# KiCad board SONATA-ONE.kicad_pcb (continued)
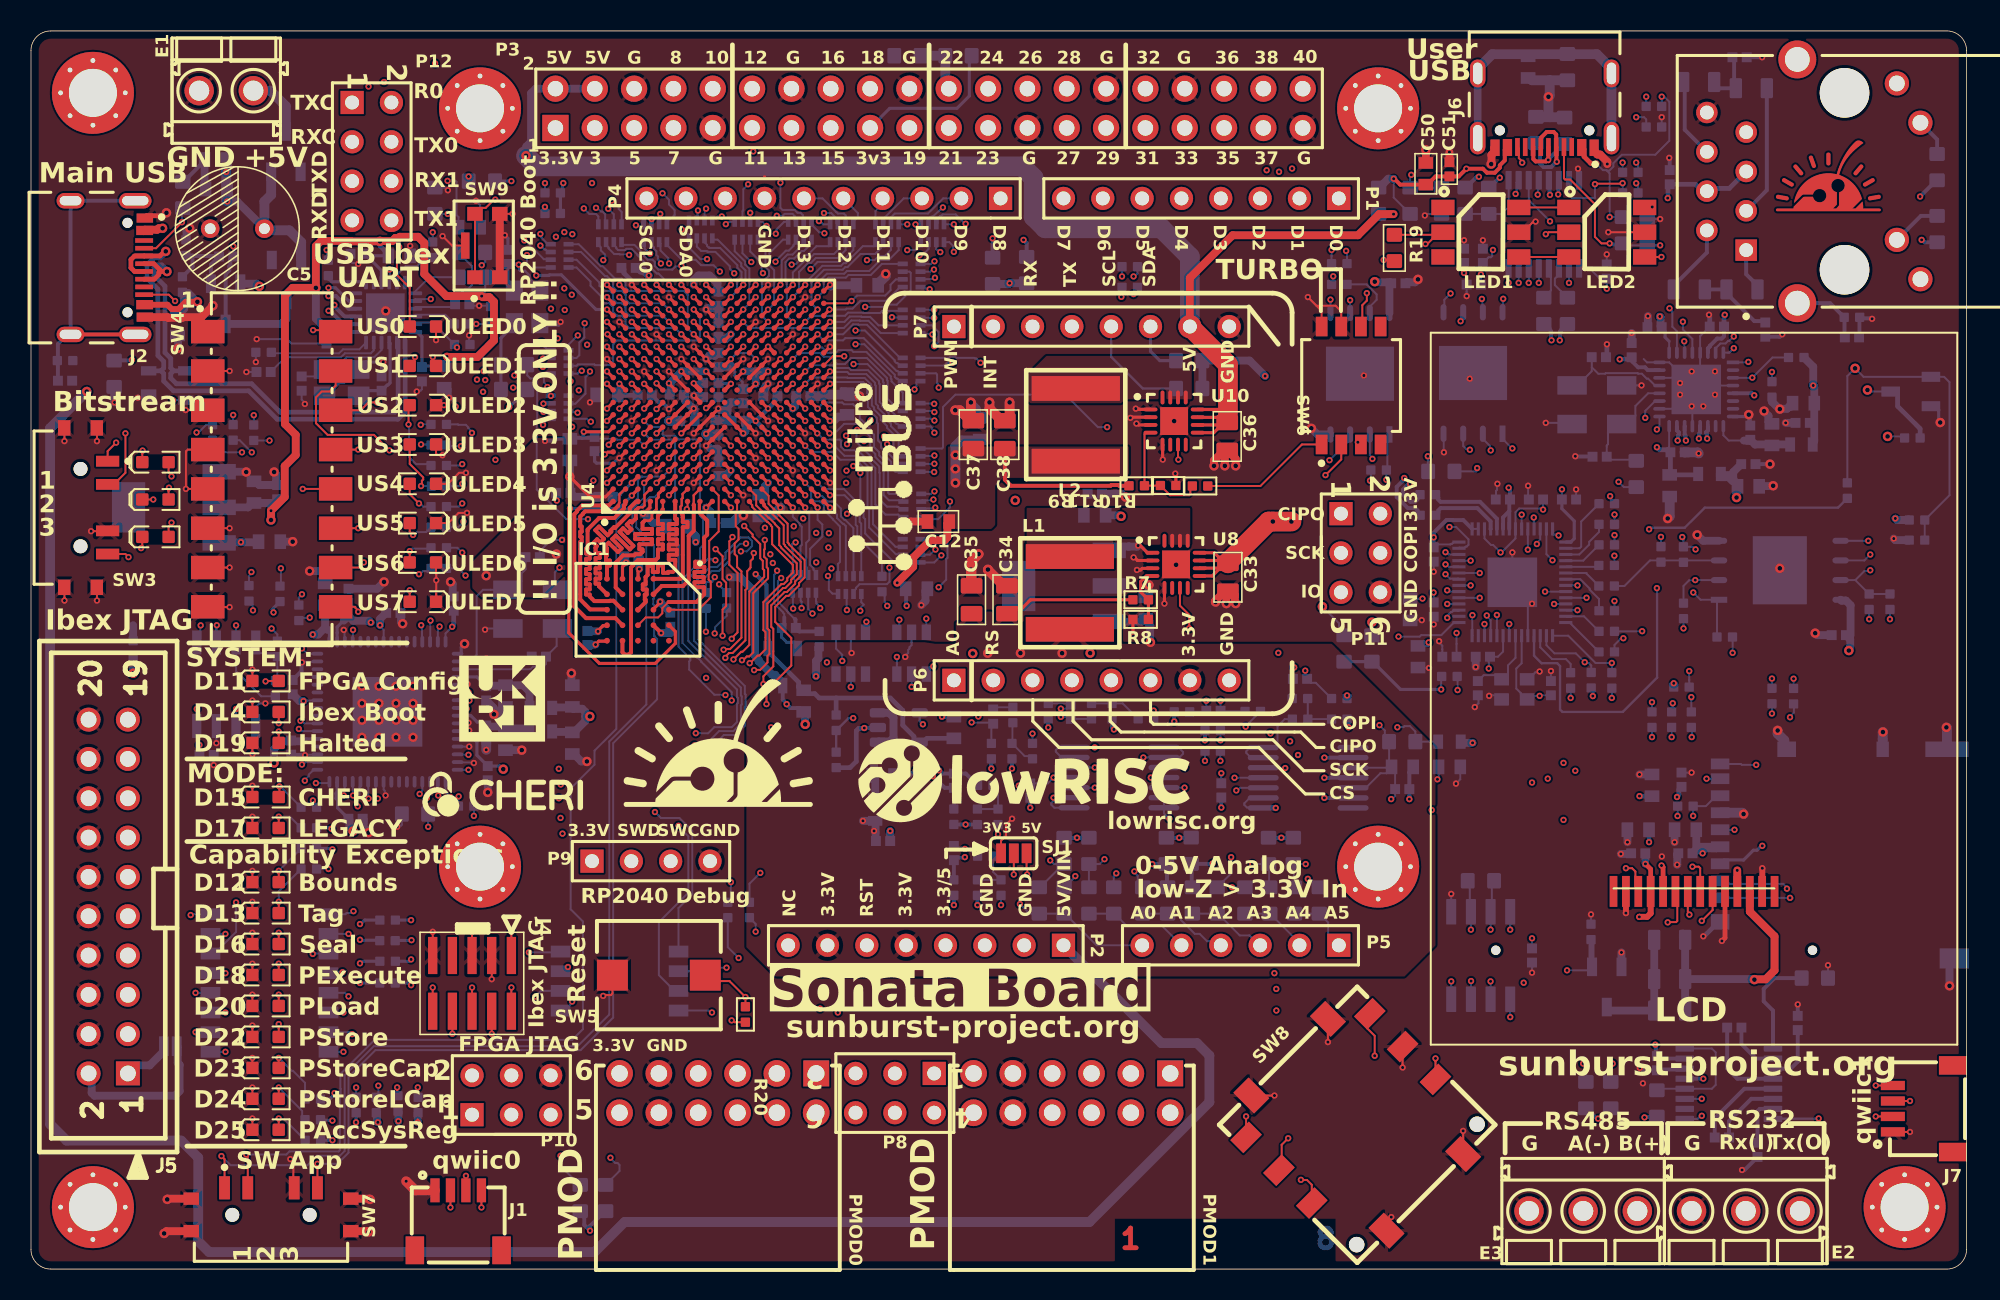
[diagram p0: board, top side]
## Library data of the parts (continued)
R38 R53 R80 R88 R95 R102 R109 R116 R192 R200-R202 = -: Description: 10k res, 0402, 1%, 1/16W; PART NUMBER: RCHIP-1K-0402; COMPONENT GROUP: Resistor; MANUFACTURE 1: Yageo; MANUFACTURE PART NUMBER 1: RC0402FR-071KL; PIN COUNT: 2; SUPPLIER 1: Digi-Key; SUPPLIER PART NUMBER 1: 311-1.00KLRCT-ND; CASE-EIA: 0402; CASE-METRIC: 1005; RATED POWER: 0.063W; RATED VOLTAGE: 75VDC; TOLERANCE: 1%; MOUNTING TECHNOLOGY: SMT; TEMPERATURE RANGE: -55C to 155C; COMPONENT KIND: Standard; COMPONENT TYPE: Standard; ki_fp_filters: *RESC1005X40N*
R40 = -: Description: 10k res, 0402, 1%, 1/16W; PART NUMBER: RCHIP-120R-0603; COMPONENT GROUP: Resistor; MANUFACTURE 1: Yageo; MANUFACTURE PART NUMBER 1: RC0603FR-07120RL; PIN COUNT: 2; SUPPLIER 1: Digi-Key; SUPPLIER PART NUMBER 1: 311-120HRCT-ND; CASE-EIA: 0603; CASE-METRIC: 1608; RATED POWER: 0.1W; RATED VOLTAGE: 75VDC; TOLERANCE: 1%; MOUNTING TECHNOLOGY: SMT; TEMPERATURE RANGE: -55C to 155C; COMPONENT KIND: Standard; COMPONENT TYPE: Standard; ki_fp_filters: *RESC1005X40N*
R42 R138-R159 R210 = -: Description: Do Not Mount Resistor; PART NUMBER: RCHIP-1K-0402; COMPONENT GROUP: Resistor; MANUFACTURE 1: Yageo; MANUFACTURE PART NUMBER 1: RC0402FR-071KL; PIN COUNT: 2; SUPPLIER 1: Digi-Key; SUPPLIER PART NUMBER 1: 311-1.00KLRCT-ND; CASE-EIA: 0402; CASE-METRIC: 1005; RATED POWER: 0.063W; RATED VOLTAGE: 75VDC; TOLERANCE: 1%; MOUNTING TECHNOLOGY: SMT; TEMPERATURE RANGE: -55C to 155C; COMPONENT KIND: Standard; COMPONENT TYPE: Standard; ki_fp_filters: *RESC1608X55N*
R43 = -: Description: 10k res, 0402, 1%, 1/16W; PART NUMBER: RCHIP-12K-0603; COMPONENT GROUP: Resistor; MANUFACTURE 1: Yageo; MANUFACTURE PART NUMBER 1: RC0603FR-0712KL; PIN COUNT: 2; SUPPLIER 1: Digi-Key; SUPPLIER PART NUMBER 1: 311-12.0KHRCT-ND; CASE-EIA: 0603; CASE-METRIC: 1608; RATED POWER: 0.1W; RATED VOLTAGE: 75VDC; TOLERANCE: 1%; MOUNTING TECHNOLOGY: SMT; TEMPERATURE RANGE: -55C to 155C; COMPONENT KIND: Standard; COMPONENT TYPE: Standard; ki_fp_filters: *RESC1005X40N*
R45 R46 R54 R62 R64 R160-R166 = -: Description: Do Not Mount Resistor; PART NUMBER: RCHIP-10K-0402; COMPONENT GROUP: Resistor; MANUFACTURE 1: Yageo; MANUFACTURE PART NUMBER 1: RC0402FR-0710KL; PIN COUNT: 2; SUPPLIER 1: Digi-Key; SUPPLIER PART NUMBER 1: 311-10.0KLRCT-ND; CASE-EIA: 0402; CASE-METRIC: 1005; RATED POWER: 0.063W; RATED VOLTAGE: 75VDC; TOLERANCE: 1%; MOUNTING TECHNOLOGY: SMT; TEMPERATURE RANGE: -55C to 155C; COMPONENT KIND: Standard; COMPONENT TYPE: Standard; ki_fp_filters: *RESC1608X55N*
R47-R52 R55 R57 R59-R61 R63 R65 R66 R68-R70 R168 R169 R171 R186 R187 = -: Description: 10k res, 0402, 1%, 1/16W; PART NUMBER: RCHIP-22R-0402; COMPONENT GROUP: Resistor; MANUFACTURE 1: Yageo; MANUFACTURE PART NUMBER 1: RC0402FR-0722RL; PIN COUNT: 2; SUPPLIER 1: Digi-Key; SUPPLIER PART NUMBER 1: 311-22.0LRCT-ND; CASE-EIA: 0402; CASE-METRIC: 1005; RATED POWER: 0.063W; RATED VOLTAGE: 75VDC; TOLERANCE: 1%; MOUNTING TECHNOLOGY: SMT; TEMPERATURE RANGE: -55C to 155C; COMPONENT KIND: Standard; COMPONENT TYPE: Standard; ki_fp_filters: *RESC1005X40N*
R56 R58 = -: Description: Do Not Mount Resistor; PART NUMBER: RCHIP-27R-0402; COMPONENT GROUP: Resistor; MANUFACTURE 1: Yageo; MANUFACTURE PART NUMBER 1: RC0402FR-0727RL; PIN COUNT: 2; SUPPLIER 1: Digi-Key; SUPPLIER PART NUMBER 1: YAG3086CT-ND; CASE-EIA: 0402; CASE-METRIC: 1005; RATED POWER: 0.063W; RATED VOLTAGE: 75VDC; TOLERANCE: 1%; MOUNTING TECHNOLOGY: SMT; TEMPERATURE RANGE: -55C to 155C; COMPONENT KIND: Standard; COMPONENT TYPE: Standard; ki_fp_filters: *RESC1608X55N*
R73 R74 R193 R203 = -: Description: 10k res, 0402, 1%, 1/16W; PART NUMBER: RCHIP-DNM-0402; COMPONENT GROUP: Resistor; MANUFACTURE 1: Yageo; MANUFACTURE PART NUMBER 1: RC0402FR-071KL; PIN COUNT: 2; SUPPLIER 1: Digi-Key; SUPPLIER PART NUMBER 1: 311-1.00KLRCT-ND; CASE-EIA: 0402; CASE-METRIC: 1005; RATED POWER: 0.063W; RATED VOLTAGE: 75VDC; TOLERANCE: 1%; MOUNTING TECHNOLOGY: SMT; TEMPERATURE RANGE: -55C to 155C; COMPONENT KIND: Standard; COMPONENT TYPE: Standard; ki_fp_filters: *RESC1005X40N*
R75 R84 R91 R98 R105 R112 = -: Description: 10k res, 0402, 1%, 1/16W; PART NUMBER: RCHIP-100K-0603; COMPONENT GROUP: Resistor; MANUFACTURE 1: Yageo; MANUFACTURE PART NUMBER 1: RC0603FR-07100KL; PIN COUNT: 2; SUPPLIER 1: Digi-Key; SUPPLIER PART NUMBER 1: 311-100KHRCT-ND; CASE-EIA: 0603; CASE-METRIC: 1608; RATED POWER: 0.1W; RATED VOLTAGE: 75VDC; TOLERANCE: 1%; MOUNTING TECHNOLOGY: SMT; TEMPERATURE RANGE: -55C to 155C; COMPONENT KIND: Standard; COMPONENT TYPE: Standard; ki_fp_filters: *RESC1005X40N*
R76 R87 R94 R101 R108 R115 = -: Description: 10k res, 0402, 1%, 1/16W; PART NUMBER: RCHIP-150K-0603; COMPONENT GROUP: Resistor; MANUFACTURE 1: Yageo; MANUFACTURE PART NUMBER 1: RC0603FR-07150KL; PIN COUNT: 2; SUPPLIER 1: Digi-Key; SUPPLIER PART NUMBER 1: 311-150KHRCT-ND; CASE-EIA: 0603; CASE-METRIC: 1608; RATED POWER: 0.1W; RATED VOLTAGE: 75VDC; TOLERANCE: 1%; MOUNTING TECHNOLOGY: SMT; TEMPERATURE RANGE: -55C to 155C; COMPONENT KIND: Standard; COMPONENT TYPE: Standard; ki_fp_filters: *RESC1005X40N*
R78 R85 R92 R99 R106 R113 = -: Description: 10k res, 0402, 1%, 1/16W; PART NUMBER: RCHIP-2K-0402; COMPONENT GROUP: Resistor; MANUFACTURE 1: Yageo; MANUFACTURE PART NUMBER 1: RC0402FR-072KL; PIN COUNT: 2; SUPPLIER 1: Digi-Key; SUPPLIER PART NUMBER 1: 311-2KLRCT-ND; CASE-EIA: 0402; CASE-METRIC: 1005; RATED POWER: 0.063W; RATED VOLTAGE: 75VDC; TOLERANCE: 1%; MOUNTING TECHNOLOGY: SMT; TEMPERATURE RANGE: -55C to 155C; COMPONENT KIND: Standard; COMPONENT TYPE: Standard; ki_fp_filters: *RESC1005X40N*
R79 R86 R93 R100 R107 R114 = -: Description: 10k res, 0402, 1%, 1/16W; PART NUMBER: RCHIP-180R-0402; COMPONENT GROUP: Resistor; MANUFACTURE 1: Yageo; MANUFACTURE PART NUMBER 1: RC0402FR-07180RL; PIN COUNT: 2; SUPPLIER 1: Digi-Key; SUPPLIER PART NUMBER 1: 311-180LRCT-ND; CASE-EIA: 0402; CASE-METRIC: 1005; RATED POWER: 0.063W; RATED VOLTAGE: 75VDC; TOLERANCE: 1%; MOUNTING TECHNOLOGY: SMT; TEMPERATURE RANGE: -55C to 155C; COMPONENT KIND: Standard; COMPONENT TYPE: Standard; ki_fp_filters: *RESC1005X40N*
R81 R90 R96 R103 R110 R117 = -: Description: 10k res, 0402, 1%, 1/16W; PART NUMBER: RCHIP-845R-0402; COMPONENT GROUP: Resistor; MANUFACTURE 1: Yageo; MANUFACTURE PART NUMBER 1: RC0402FR-07845RL; PIN COUNT: 2; SUPPLIER 1: Digi-Key; SUPPLIER PART NUMBER 1: YAG3244CT-ND; CASE-EIA: 0402; CASE-METRIC: 1005; RATED POWER: 0.063W; RATED VOLTAGE: 75VDC; TOLERANCE: 1%; MOUNTING TECHNOLOGY: SMT; TEMPERATURE RANGE: -55C to 155C; COMPONENT KIND: Standard; COMPONENT TYPE: Standard; ki_fp_filters: *RESC1005X40N*
R125-R128 = -: Description: 10k res, 0402, 1%, 1/16W; PART NUMBER: RCHIP-2K2-0603; COMPONENT GROUP: Resistor; MANUFACTURE 1: Yageo; MANUFACTURE PART NUMBER 1: RC0603FR-072K2L; PIN COUNT: 2; SUPPLIER 1: Digi-Key; SUPPLIER PART NUMBER 1: 311-2.20KHRCT-ND; CASE-EIA: 0603; CASE-METRIC: 1608; RATED POWER: 0.1W; RATED VOLTAGE: 75VDC; TOLERANCE: 1%; MOUNTING TECHNOLOGY: SMT; TEMPERATURE RANGE: -55C to 155C; COMPONENT KIND: Standard; COMPONENT TYPE: Standard; ki_fp_filters: *RESC1005X40N*
R130-R132 = -: Description: 10k res, 0402, 1%, 1/16W; PART NUMBER: RCHIP-75R-0805; COMPONENT GROUP: Resistor; MANUFACTURE 1: Yageo; MANUFACTURE PART NUMBER 1: RC0805FR-0775RL; PIN COUNT: 2; SUPPLIER 1: Digi-Key; SUPPLIER PART NUMBER 1: 311-75.0CRCT-ND; CASE-EIA: 0805; RATED POWER: 0.125W; RATED VOLTAGE: 75VDC; TOLERANCE: 1%; MOUNTING TECHNOLOGY: SMT; TEMPERATURE RANGE: -55C to 155C; COMPONENT KIND: Standard; COMPONENT TYPE: Standard; ki_fp_filters: *RESC1005X40N*
R167 = -: Description: 10k res, 0402, 1%, 1/16W; PART NUMBER: RCHIP-3K01-0402; COMPONENT GROUP: Resistor; MANUFACTURE 1: Yageo; MANUFACTURE PART NUMBER 1: RC0402FR-073K01L; PIN COUNT: 2; SUPPLIER 1: Digi-Key; SUPPLIER PART NUMBER 1: 311-3.01KLRCT-ND; CASE-EIA: 0402; CASE-METRIC: 1005; RATED POWER: 0.063W; RATED VOLTAGE: 75VDC; TOLERANCE: 1%; MOUNTING TECHNOLOGY: SMT; TEMPERATURE RANGE: -55C to 155C; COMPONENT KIND: Standard; COMPONENT TYPE: Standard; ki_fp_filters: *RESC1005X40N*
R170 R172-R185 R188-R191 R194 = -: Description: 33-ohm, 0.5mm res array; PART NUMBER: 741C083330JP; COMPONENT GROUP: Resistor; MANUFACTURE 1: CTS; MANUFACTURE PART NUMBER 1: 741C083330JP; PIN COUNT: 8; SUPPLIER 1: Digi-Key; SUPPLIER PART NUMBER 1: 741C083330JPCT-ND; MOUNTING TECHNOLOGY: SMT; COMPONENT KIND: Standard; COMPONENT TYPE: Standard; PP MATERIAL STACK: 0; PP ROTATION: 0; PP ROTATION1: 0; ki_fp_filters: *741C083*
R195 = -: Description: 10k res, 0402, 1%, 1/16W; PART NUMBER: RCHIP-0R-0402; COMPONENT GROUP: Resistor; MANUFACTURE 1: Yageo; MANUFACTURE PART NUMBER 1: RC0402FR-070RL; PIN COUNT: 2; SUPPLIER 1: Digi-Key; SUPPLIER PART NUMBER 1: 311-0.0LRCT-ND; CASE-EIA: 0402; CASE-METRIC: 1005; RATED POWER: 0.063W; RATED VOLTAGE: 75VDC; TOLERANCE: 1%; MOUNTING TECHNOLOGY: SMT; TEMPERATURE RANGE: -55C to 155C; COMPONENT KIND: Standard; COMPONENT TYPE: Standard; ki_fp_filters: *RESC1005X40N*
R196-R198 R204 = -: Description: 10k res, 0402, 1%, 1/16W; PART NUMBER: RCHIP-49R9-0805; COMPONENT GROUP: Resistor; MANUFACTURE 1: Yageo; MANUFACTURE PART NUMBER 1: RC0805FR-0749R9L; PIN COUNT: 2; SUPPLIER 1: Digi-Key; SUPPLIER PART NUMBER 1: 311-49.9CRCT-ND; CASE-EIA: 0805; RATED POWER: 0.125W; RATED VOLTAGE: 75VDC; TOLERANCE: 1%; MOUNTING TECHNOLOGY: SMT; TEMPERATURE RANGE: -55C to 155C; COMPONENT KIND: Standard; COMPONENT TYPE: Standard; CASE-METRIC: 2012; ROHS: Yes; ki_fp_filters: *RESC1005X40N*
R206 R207 = -: Description: 10k res, 0402, 1%, 1/16W; PART NUMBER: RCHIP-1K8-0603; COMPONENT GROUP: Resistor; MANUFACTURE 1: Yageo; MANUFACTURE PART NUMBER 1: RC0603FR-071K8L; PIN COUNT: 2; SUPPLIER 1: Digi-Key; SUPPLIER PART NUMBER 1: 311-1.80KHRCT-ND; CASE-EIA: 0603; CASE-METRIC: 1608; RATED POWER: 0.1W; RATED VOLTAGE: 75VDC; TOLERANCE: 1%; MOUNTING TECHNOLOGY: SMT; TEMPERATURE RANGE: -55C to 155C; COMPONENT KIND: Standard; COMPONENT TYPE: Standard; ki_fp_filters: *RESC1005X40N*
R212 = -: Description: Do Not Mount Resistor; PART NUMBER: RCHIP-12K-0603; COMPONENT GROUP: Resistor; MANUFACTURE 1: Yageo; MANUFACTURE PART NUMBER 1: RC0603FR-0712KL; PIN COUNT: 2; SUPPLIER 1: Digi-Key; SUPPLIER PART NUMBER 1: 311-12.0KHRCT-ND; CASE-EIA: 0603; CASE-METRIC: 1608; RATED POWER: 0.1W; RATED VOLTAGE: 75VDC; TOLERANCE: 1%; MOUNTING TECHNOLOGY: SMT; TEMPERATURE RANGE: -55C to 155C; COMPONENT KIND: Standard; COMPONENT TYPE: Standard; ki_fp_filters: *RESC1608X55N*
SD1 = -: Description: Micro SD Card Connector, 0.5 A, 125 V, -25 to 85 degC, 8-Pin SMD, RoHS, Tape and Reel; FEATURED PRODUCT: DM3ATSeries; MANUFACTURER URL: https://www.hirose.com; CONTACT FINISH: Gold; HEIGHT ABOVE BOARD: 0.066"(1.68mm); HTML DATASHEET: DM3SeriesmicroSD.html; FAMILY: MemoryConnectors-PCCardSockets; PACKAGE REFERENCE: DM3AT-8; CATEGORY: Connectors,Interconnects; FEATURES: Switch; MOUNTING TYPE: SurfaceMount,RightAngle; DATASHEET VERSION: Jun-10; OTHER NAMES: HR1964DKR; CONNECTOR TYPE: ConnectorandEjector; INSERTION, REMOVAL METHOD: PushIn,PushOut; MANUFACTURER: Hirose Electric; PACKAGE DESCRIPTION: 8-Pin Surface Mount Device, Body 16.15 x 13.85 mm, Pitch 1.1 mm; CARD TYPE: SecureDigital-microSD™; STANDARD PACKAGE: 1; ONLINE CATALOG: DM3Series; CONTACT FINISH THICKNESS: -; DATASHEET URL: https://ciiva.com/datasheet-click-46418261?src=ciiva&sig=4019062a; MOUNTING FEATURE: Normal,Standard-Top; SERIES: DM3; PACKAGING: Digi-Reel; NUMBER OF POSITIONS: 10(8+2); PRODUCT TRAINING MODULES: DM3SeriesmicroSDCardSockets; PACKAGE URL: https://www.hirose.com/product/en/download_file/key_name/DM3/category/Catalog/doc_file_id/49662/?file_category_id=4&item_id=195&is_series=1; EJECTOR SIDE: -; ki_fp_filters: *FP-DM3AT-SF-PEJM5-MFG*
SJ1 = -: Description: Solder Jumper, NC; PART NUMBER: SJ_3S_12JMP; COMPONENT GROUP: PCB Feature; PIN COUNT: 3; MOUNTING TECHNOLOGY: COPPER; COMPONENT KIND: Standard (No BOM); COMPONENT TYPE: Standard (No BOM); ki_fp_filters: *SJ_3S_NC12*
SJ2 = -: Description: Solder Jumper, NO; PART NUMBER: SJ_2S_NO; COMPONENT GROUP: PCB Feature; PIN COUNT: 2; MOUNTING TECHNOLOGY: COPPER; COMPONENT KIND: Standard (No BOM); COMPONENT TYPE: Standard (No BOM); ki_fp_filters: *SJ_2S_NO*
SW1 SW6 = -: Description: SWITCH SLIDE DIP SPST 25MA 24V; NUMBER OF POSITIONS: 4; CURRENT RATING: 25mA; WASHABLE: Yes; PITCH: 0.05inch; CONTACT MATERIAL: Copper; MAX CURRENT RATING: 25mA; TERMINATION: Gull Wing; THROW CONFIGURATION: SPST; MOUNT: Surface Mount; RADIATION HARDENING: No; CONTACT PLATING: Gold; LENGTH: 0.246inch; DEPTH: 8.44mm; PACKAGE QUANTITY: 2000; PACKAGING: Tape and Reel; ACTUATOR TYPE: Slide (Standard); SERIES: 218; LEAD FREE: Lead Free; VOLTAGE RATING (DC): 24V; MIN OPERATING TEMPERATURE: -55°C; ROHS COMPLIANT: Yes; ELECTRICAL LIFE: 1000Cycles; MECHANICAL LIFE: 1000Cycles; MAX OPERATING TEMPERATURE: 85°C; ORIENTATION: Straight; MAX VOLTAGE RATING (DC): 24V; ki_fp_filters: *FP-218-4LPSTR-MFG*
SW2 = -: Description: SWITCH SLIDE DIP SPST 25MA 24V; NUMBER OF POSITIONS: 8; RADIATION HARDENING: No; PACKAGING: Rail/Tube; LENGTH: 0.446inch; DEPTH: 8.44mm; PITCH: 0.05inch; ACTUATOR TYPE: Slide (Standard); MAX VOLTAGE RATING (DC): 24V; LEAD FREE: Lead Free; MOUNT: Surface Mount; ROHS COMPLIANT: Yes; SERIES: 218; MAX OPERATING TEMPERATURE: 85°C; ELECTRICAL LIFE: 1000Cycles; TERMINATION: Gull Wing; VOLTAGE RATING (DC): 24V; CURRENT RATING: 25mA; CONTACT PLATING: Gold; WASHABLE: Yes; MIN OPERATING TEMPERATURE: -55°C; TERMINAL PITCH: 1.27mm; CONTACT MATERIAL: Copper; THROW CONFIGURATION: SPST; CONTACT RESISTANCE: 100mR; ORIENTATION: Straight; MAX CURRENT RATING: 25mA; HEIGHT: 2.65mm; PACKAGE QUANTITY: 40; ki_fp_filters: *FP-218-8LPST-MFG*
SW3 SW7 = -: Description: SWITCH SLIDE SP3T 300MA 4V; CONTACT PLATING: Gold; ACTUATOR LENGTH: 1.5mm; TERMINATION: Gull Wing; RADIATION HARDENING: No; SERIES: CUS; MAX OPERATING TEMPERATURE: 70°C; ELECTRICAL LIFE: 10000Cycles; MOUNT: Surface Mount; SWITCH TRAVEL: 1.5mm; MAX VOLTAGE RATING (DC): 20V; SWITCH FUNCTION: On-On-On; PACKAGING: Tape and Reel; MIN OPERATING TEMPERATURE: -20°C; CONTACT MATERIAL: Copper Alloy; ACTUATOR MATERIAL: Nylon; ORIENTATION: Right Angle; ACTUATOR TYPE: Standard; VOLTAGE RATING (DC): 4V; CONTACT STYLE: Non-Shorting; ROHS COMPLIANT: Yes; CURRENT RATING: 300mA; THROW CONFIGURATION: SP3T; ki_fp_filters: *FP-CUS-13TB-MFG*
SW4 = -: Description: SWITCH SLIDE DIP SPST 100MA 24V; DEVICE CLASS L1: Electromechanical; MANUFACTURER: TE Connectivity; CURRENT RATING: 1A; ELECTROMECHANICAL LIFE: 1000Cycles; HEIGHT: 5.1mm; COMPONENTLINK2DESCRIPTION: Datasheet; TEMPERATURE RANGE HIGH: +85°C; DIGIKEY DESCRIPTION: SWITCH SLIDE DIP SPST 100MA 24V; VOLTAGE RATING DC: 24V; PACKAGE: 0; CONTACT RESISTANCE: 50mΩ; NUMBER OF CIRCUITS: 8; AUTOMOTIVE: No; COMPONENTLINK2URL: https://www.te.com/commerce/DocumentDelivery/DDEController?Action=showdoc&DocId=Customer+Drawing%7F1825058%7FS5%7Fpdf%7FEnglish%7FENG_CD_1825058_S5.pdf%7F1-1825058-9; OCTOPART: https://octopart.com/1-1825058-9-te+connectivity-46507285; TEMPERATURE RANGE LOW: -30°C; DEVICE CLASS L2: Switches; CONTACT CURRENT RATING: 100mA; MOUNT: Surface Mount; TEMPERATURE: -30°C to +85°C; CATEGORY: Switch; DEVICE CLASS L3: DIP Switches; LEAD FREE: Yes; THROW CONFIGURATION: SPST; ROHS: TRUE; ki_fp_filters: *FP-1-1825058-9-MFG*
SW5 = -: Description: Pushbutton, SMD, 2.5NM force, NO; COMPONENT GROUP: Switch; MANUFACTURE 1: Panasonic; PIN COUNT: 2; SUPPLIER 1: Digi-Key; SUPPLIER PART NUMBER 1: P16856CT-ND; MOUNTING TECHNOLOGY: SMT; COMPONENT KIND: Standard; COMPONENT TYPE: Standard; ki_fp_filters: *EVPAS*
SW8 = -: Description: 5-Way Joystick; COMPONENT GROUP: Switch; MANUFACTURE 1: TE; PIN COUNT: 10; SUPPLIER 1: Digi-Key; COMPONENT KIND: Standard; COMPONENT TYPE: Standard; PP MATERIAL STACK: 0; PP ROTATION: 0; PP ROTATION1: 0; ki_fp_filters: *2425755-1*
SW9 = -: Description: SWITCH TACTILE SPST-NO 0.05A 32V; REACH SVHC: No SVHC; VOLTAGE RATING (DC): 32V; LENGTH: 2.8mm; MIN OPERATING TEMPERATURE: -40°C; MOUNT: Surface Mount; SWITCH FUNCTION: Off-Mom; THROW CONFIGURATION: SPST; SWITCH TRAVEL: 0.2mm; CURRENT RATING: 50mA; MAX VOLTAGE RATING (DC): 32V; WIDTH: 2.8mm; ILLUMINATION TYPE: Non-Illuminated; ACTUATOR LENGTH: 0.5mm; DEPTH: 4.6mm; PACKAGING: Tape and Reel; LEAD FREE: Lead Free; CONTACT MATERIAL: Silver; TERMINATION: Gull Wing; POWER RATING: 1W; PACKAGE QUANTITY: 1; OPERATING FORCE: 1.2N; CONTACT CURRENT RATING: 50mA; ORIENTATION: Straight; MAX OPERATING TEMPERATURE: 85°C; ACTUATOR TYPE: Standard; RADIATION HARDENING: No; MECHANICAL LIFE: 200000Cycles; MAX CURRENT RATING: 50mA; CONTACT PLATING: Silver; ki_fp_filters: *FP-KMR211GLFS-MFG*
U1 = -: Description: USB 2.0 high-speed ESD; SUPPLIER 1: Digi-Key; SUPPLIER PART NUMBER 1: 568-7445-1-ND; COMPONENT GROUP: Diode; PIN COUNT: 4; COMPONENT KIND: Standard; COMPONENT TYPE: Standard; ki_fp_filters: *SOT143B*
U2 = -: Description: IC REG LIN POS 3.3V 800MA SOT223; COMPONENT GROUP: Analog IC; MANUFACTURE 1: STMicroelectronics; MANUFACTURE PART NUMBER 1: LD1117S33TR; PIN COUNT: 3; SUPPLIER 1: Digi-Key; SUPPLIER PART NUMBER 1: 497-1242-1-ND; RATED VOLTAGE: 15V; MOUNTING TECHNOLOGY: SMT; ROHS: Yes; COMPONENT KIND: Standard; COMPONENT TYPE: Standard; PP MATERIAL STACK: 0; PP ROTATION: 0; ki_fp_filters: *SOT-223*
U3 = -: Description: IC TXRX RS422/RS485; PART NUMBER: ISL83485I; COMPONENT GROUP: Digital IC; MANUFACTURE 1: Renesas; PIN COUNT: 8; SUPPLIER 1: Digi-Key; SUPPLIER PART NUMBER 1: ISL83485IBZ-TCT-ND; MOUNTING TECHNOLOGY: SMT; ROHS: Yes; COMPONENT KIND: Standard; COMPONENT TYPE: Standard; ki_fp_filters: *SOIC8_NARROW*
U4 = -: Description: Artix-7 FPGA, 210 User I/Os, 0 GTP, 324-Ball BGA, Speed Grade 1, Commercial Grade, Pb-Free; GTP: 0; MAXIMUM DISTRIBUTED RAM: 400 Kb; AVAILABLE USER I/O: 210; COMPONENTLINK2URL: http://www.xilinx.com/support/documentation/data_sheets/ds180_7Series_Overview.pdf; COMPONENTLINK2DESCRIPTION: Datasheet; DATASHEETVERSION: Rev. 1.15; PACKAGEDESCRIPTION: 324-Ball Wire-Bond Chip-Scale BGA, Body 15 x 15 mm, Pitch 0.8 mm; COMPONENTLINK4URL: http://www.xilinx.com/support/documentation/user_guides/ug475_7Series_Pkg_Pinout.pdf; PACKAGEREFERENCE: CSG-324; MANUFACTURER: Xilinx; MOUNTING TECHNOLOGY: Surface Mount; PACKAGEVERSION: Rev. 1.11; COMPONENTLINK1DESCRIPTION: Manufacturer URL; SPEED GRADES: 1; COMPONENTLINK3DESCRIPTION: Pinout; LOGIC CELLS: 33280; COMPONENTLINK1URL: http://www.xilinx.com/; COMPONENTLINK3URL: http://www.xilinx.com/support/documentation/user_guides/ug475_7Series_Pkg_Pinout.pdf; TOTAL BLOCK RAM: 1800 Kb; COMPONENTLINK4DESCRIPTION: Package Specification; OPERATING TEMPERATURE RANGE: Commercial; CMTS: 5; ki_fp_filters: *CSG324*
U5 = -: Description: Quad High Speed USB To Multipurpose UART/MPSSE IC, 64-pin QFN, Tray; PACKAGEDESCRIPTION: 64-Pin Quad Flat No-Lead, 9 x 9 mm Body, 0.5 mm Pitch, 4.35 x 4.35 mm Exposed Pad; PACKAGEVERSION: Jan-12; COMPONENTLINK2URL: http://www.ftdichip.com/Support/Documents/DataSheets/ICs/DS_FT4232H.pdf; REVISIONNOTE: DatasheetVersion updated to 2.2 Jan-2012; COMPONENTLINK1DESCRIPTION: Manufacturer URL; DATASHEETVERSION: ver 2.2, Jan-2012; PACKAGEREFERENCE: QFN64_2; MANUFACTURER: FTDI; COMPONENTLINK2DESCRIPTION: Datasheet; COMPONENTLINK1URL: http://www.ftdichip.com/; ki_fp_filters: *QFN64_2_N*
U6 = -: Description: IC ETHERNET CTLR 1PORT PCI 32MLF; HEIGHT: 0.85mm; DATA RATE: 100Mbps; INTERFACE: SPI; NOMINAL SUPPLY CURRENT: 75mA; MAX SUPPLY VOLTAGE: 3.5V; PACKAGE QUANTITY: 1000; SERIES: -; MAX OPERATING TEMPERATURE: 85°C; PACKAGING: Tape and Reel; CASE/PACKAGE: QFN; RADIATION HARDENING: No; NUMBER OF FUNCTIONS: 1; LEAD FREE: Lead Free; REACH SVHC: No SVHC; NUMBER OF TRANSCEIVERS: 1; OPERATING SUPPLY VOLTAGE: 3.3V; NUMBER OF PINS: 32; MIN OPERATING TEMPERATURE: -40°C; SUPPLY CURRENT: 75mA; LENGTH: 5mm; WIDTH: 5mm; SUPPLY VOLTAGE-NOM: 3.3V; MIN SUPPLY VOLTAGE: 3.1V; MAX SUPPLY CURRENT: 85mA; NUMBER OF PORTS: 1; MOUNT: Surface Mount; ki_fp_filters: *FP-QFN55-32LD-PL-5-IPC_C*
U7 = -: Description: 3-V to 5.5-V Single-Channel RS-232 Line Driver / Receiver with ±15-kV ESD Protection, -40 to 85 degC, 16-Pin TSSOP (PW), Green (RoHS & no Sb/Br); COMPONENTLINK2DESCRIPTION: Datasheet; COMPONENTLINK3URL: http://www.ti.com/litv/pdf/mpds361; SUBFAMILY: RS-232; DRIVERS PER PACKAGE: 1; PACKAGEDESCRIPTION: 16-Pin Plastic Thin Small Outline Package 5 x 4.4 mm Body ,0.65 mm Pitch; ICC(MAX)(MA): 1; PACKAGEREFERENCE: PW0016A; RECEIVERS PER PACKAGE: 1; DATASHEETVERSION: SLLS348M; ESD HBM(KV): +/-15; PACKAGEVERSION: revG, Feb-2011; COMPONENTLINK1URL: www.ti.com; COMPONENTLINK1DESCRIPTION: Manufacturer URL; COMPONENTLINK2URL: http://www.ti.com/general/docs/lit/getliterature.tsp?genericPartNumber=MAX3221&fileType=pdf; COMPONENTLINK3DESCRIPTION: Package Specification; SUPPLY VOLTAGE(S)(V): 3.3 or 5.0; RS-232: TRUE; SINGLE SUPPLY: TRUE; ki_fp_filters: *PW0016A_L*
U8 U10 = -: Description: Switching supply controller, 2A; COMPONENT GROUP: Analog IC; MANUFACTURE 1: Richtek; PIN COUNT: 17; COMPONENT KIND: Standard; COMPONENT TYPE: Standard; PP MATERIAL STACK: 0; PP ROTATION: 0; ki_fp_filters: *QFN16_50P300X300X100_HS-17M*
U9 = -: Description: IC REG LIN POS 3.3V 800MA SOT223; COMPONENT GROUP: Analog IC; MANUFACTURE 1: STMicroelectronics; MANUFACTURE PART NUMBER 1: LD1117S18TR; PIN COUNT: 3; SUPPLIER 1: Digi-Key; SUPPLIER PART NUMBER 1: 497-7308-1-ND; RATED VOLTAGE: 15V; MOUNTING TECHNOLOGY: SMT; ROHS: Yes; COMPONENT KIND: Standard; COMPONENT TYPE: Standard; PP MATERIAL STACK: 0; PP ROTATION: 0; ki_fp_filters: *SOT-223*
U11 = -: Description: Connector; DATASHEET LINK: https://www.mouser.com/datasheet/2/635/rp2040_datasheet-3048960.pdf; HEIGHT: 0.9mm; MANUFACTURER_NAME: RASPBERRY-PI; MANUFACTURER_PART_NUMBER: SC0914(7); MOUSER PART NUMBER: 358-SC09147; MOUSER PRICE/STOCK: https://www.mouser.co.uk/ProductDetail/Raspberry-Pi/SC09147?qs=T%252BzbugeAwjhSpdbCB4ve%252Bg%3D%3D; ki_fp_filters: *QFN40P700X700X90-57N-D*
U12 = -: Description: IC HUB CTLR USB 2.0 24QFN; MIN SUPPLY VOLTAGE: 3V; DEVICE CLASS L1: Integrated Circuits (ICs); COMPONENTLINK2URL: http://ww1.microchip.com/downloads/en/DeviceDoc/00001726B.pdf; STANDOFF HEIGHT: 0mm; MANUFACTURER: Microchip; TEMPERATURE: -40°C to +85°C; LEAD FREE: Yes; CATEGORY: IC; ROHS: TRUE; DIGIKEY DESCRIPTION: IC HUB CTLR USB 2.0 24QFN; USB STANDARD: USB 2.0; INTERFACE: I2C,USB,SMBus; NUMBER OF PORTS: 2; MAX SUPPLY VOLTAGE: 3.6V; DEVICE CLASS L2: Interface ICs; HEIGHT: 1mm; NOMINAL SUPPLY CURRENT: 29-70mA; DEVICE CLASS L3: USB Interface ICs; TEMPERATURE RANGE HIGH: +85°C; AUTOMOTIVE: No; IPC LAND PATTERN NAME: QFN50P400X400X90-24; TEMPERATURE RANGE LOW: -40°C; MOUSER DESCRIPTION: Microchip USB2422-I/MJ; USB Controller; USB 2.0; 3 - 3.6 V; 24-Pin SQFN; PACKAGE: 24-S4QFN-4x4B-0.5P; AMBIENT TEMPERATURE RANGE LOW: -40°C; COMPONENTLINK2DESCRIPTION: Datasheet; AMBIENT TEMPERATURE RANGE HIGH: +85°C; OCTOPART: https://octopart.com/usb2422-i%2Fmj-microchip-29030614; ki_fp_filters: *FP-24-S4QFN-4x4B-0_5P-MFG*
U13 = -: Description: Advanced USB Transciever, Full Speed, Differential, +/-15 KV, -40 to 85 degC, 16-Pin TSSOP (PW), Green (RoHS & no Sb/Br); COMPONENTLINK2DESCRIPTION: Package Specification; COMPONENTLINK3URL: http://www.ti.com/litv/pdf/mpds361; SUBFAMILY: USB Transceiver; DRIVERS PER PACKAGE: 1; PACKAGEDESCRIPTION: 16-Pin Plastic Thin Small Outline Package 5 x 4.4 mm Body ,0.65 mm Pitch; ICC(MAX)(MA): 1; PACKAGEREFERENCE: PW0016A; RECEIVERS PER PACKAGE: 1; DATASHEETVERSION: SCAS818E; ESD HBM(KV): +/-15; PACKAGEVERSION: revG, Feb-2011; COMPONENTLINK1URL: http://www.ti.com/general/docs/lit/getliterature.tsp?genericPartNumber=TUSB1106&fileType=pdf; COMPONENTLINK1DESCRIPTION: Datasheet; COMPONENTLINK2URL: http://www.ti.com/lit/ml/mpds361/mpds361.pdf; COMPONENTLINK3DESCRIPTION: Package Specification; SUPPLY VOLTAGE(S)(V): 3.3 or 5.0; RS-232: TRUE; SINGLE SUPPLY: TRUE; ECO-PLAN: Green (RoHS & no Sb/Br); MOUNTING TECHNOLOGY: Surface Mount; USB SPEED: Full; MANUFACTURER: Texas Instruments; CODE_JEDEC: MO-153; ki_fp_filters: *PW0016A_L*
U14 = -: Description: IC VREF SERIES 0.2% SOT23-3; SUPPLIER 1: Digi-Key; ROHS: Yes; CATEGORY: Voltage References; STOCK 1: 7831; PRICING 1: 1=1.18000, 10=1.05300, 25=0.99960, 100=0.76760 (USD); CASE/PACKAGE: SOT-23; NUMBER OF PINS: 3; MIN OPERATING TEMPERATURE: -40°C; MAX OPERATING TEMPERATURE: 125°C; PACKAGING: Tape and Reel; OUTPUT VOLTAGE: 1.25V; MAX INPUT VOLTAGE: 5.5V; MAX OUTPUT CURRENT: 25mA; MIN INPUT VOLTAGE: 1.8V; PACKAGE QUANTITY: 1; NOMINAL SUPPLY CURRENT: 42uA; TEMPERATURE COEFFICIENT: 50ppm/°C; NUMBER OF CHANNELS: 1; QUIESCENT CURRENT: 50uA; OUTPUT CURRENT: 25mA; MAX SUPPLY CURRENT: 50uA; MIN OUTPUT VOLTAGE: 1.248V; MAX OUTPUT VOLTAGE: 1.25V; REFERENCE VOLTAGE: 1.25V; TERMINATION: SMD/SMT; REFERENCE TYPE: Series,Fixed; LENGTH: 2.92mm; WIDTH: 1.3mm; HEIGHT: 1mm; RADIATION HARDENING: No; REACH SVHC: No SVHC; LEAD FREE: Lead Free; COMPONENTLINK3URL: https://datasheet.ciiva.com/2007/ref3012-2007154.pdf?src-supplier=Digi-Key; COMPONENTLINK3DESCRIPTION: https://datasheet.ciiva.com/2007/ref3012-2007154.pdf?src-supplier=Digi-Key; COMPONENTLINK4URL: https://datasheet.ciiva.com/2007/ref3012-2007155.pdf?src-supplier=Digi-Key; COMPONENTLINK4DESCRIPTION: https://datasheet.ciiva.com/2007/ref3012-2007155.pdf?src-supplier=Digi-Key; COMPONENTLINK5URL: https://datasheet.ciiva.com/3235/ref3033-3235533.pdf?src-supplier=Avnet; COMPONENTLINK5DESCRIPTION: https://datasheet.ciiva.com/3235/ref3033-3235533.pdf?src-supplier=Avnet; COMPONENTLINK6URL: https://datasheet.ciiva.com/3235/ref3033-3235534.pdf?src-supplier=Avnet; COMPONENTLINK6DESCRIPTION: https://datasheet.ciiva.com/3235/ref3033-3235534.pdf?src-supplier=Avnet; .CHECKED SCH: *; .CHECKED PCB: *; SUPPLIER PART NUMBER 1: REF3012AIDBZTTR-ND; COMPONENT GROUP: Analog IC; MANUFACTURE 1: Texas Instruments; PIN COUNT: 3; MOUNTING TECHNOLOGY: SMT; COMPONENT KIND: Standard; COMPONENT TYPE: Standard; PP MATERIAL STACK: 0; PP ROTATION: 0; ki_fp_filters: *SOT95P237X112-3N*